# KiCad board panel_joined.kicad_pcb (continued)
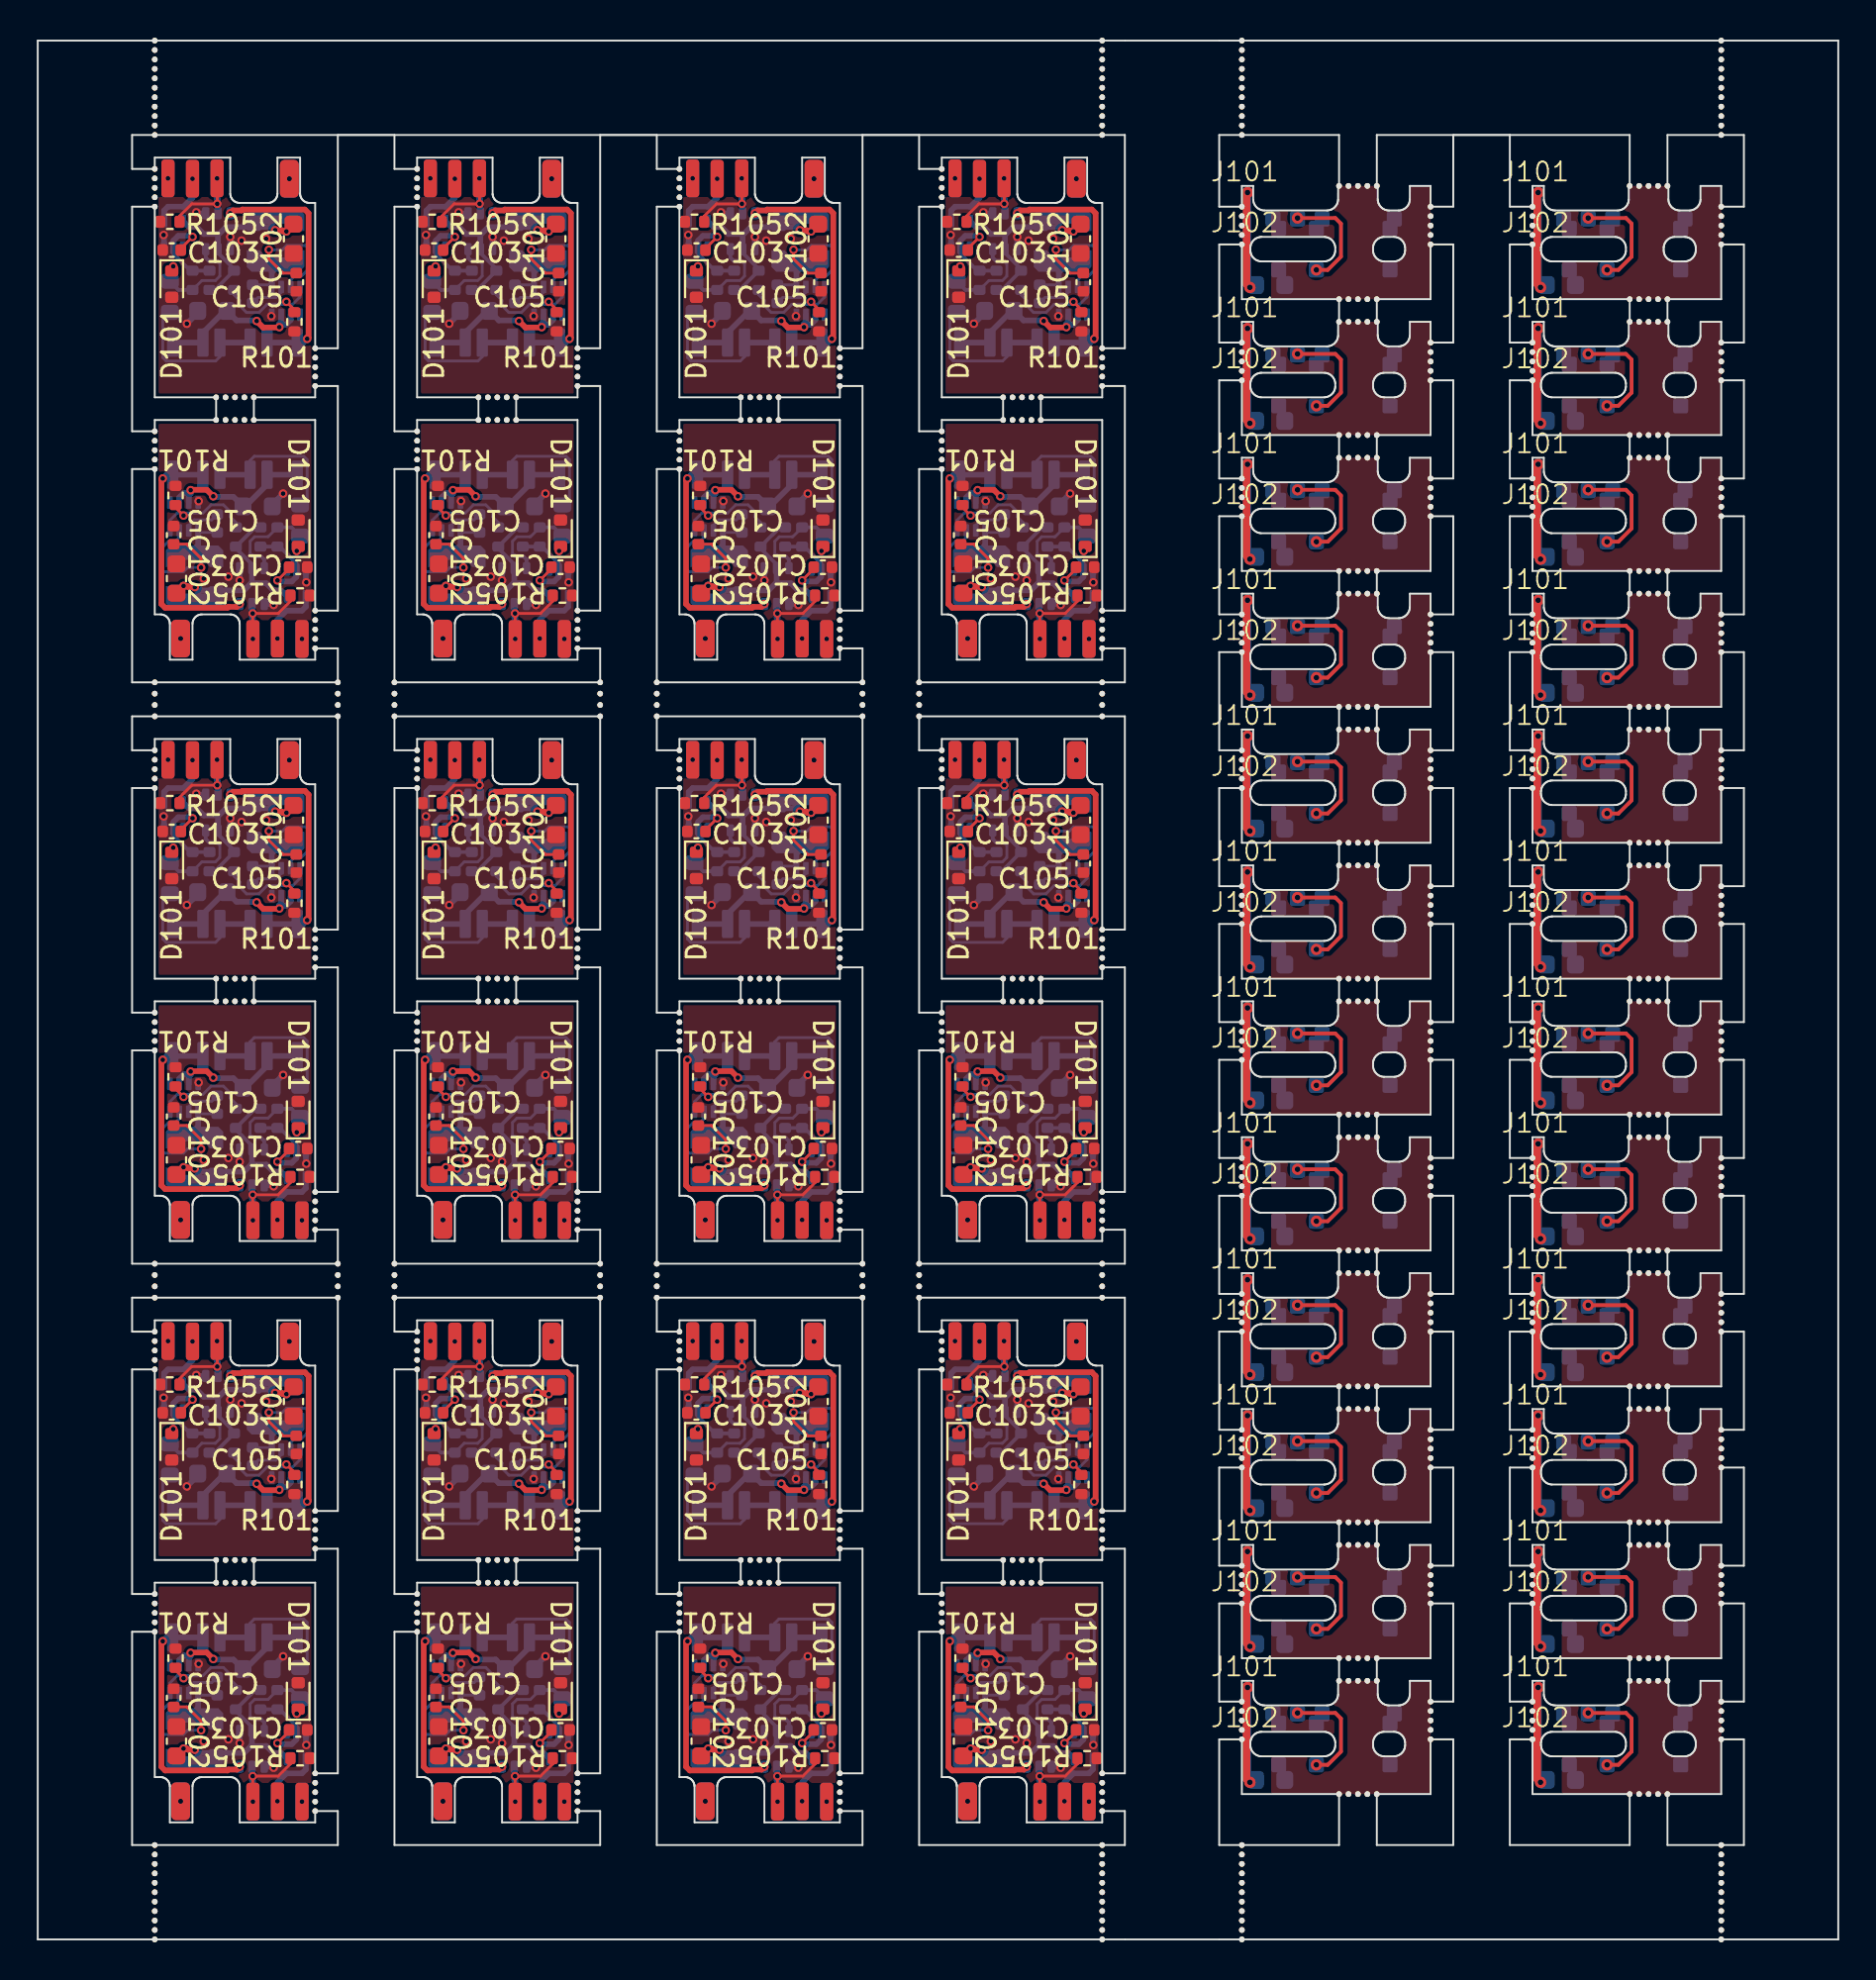
[diagram p0: board, top side]
## Nets (continued)
Board_1-Board_20-/IO5: J101#4.2 J102#20.3
Board_1-Board_20-/IO10: J102#20.5
Board_1-Board_20-unconnected-(AE101-A-Pad1): AE101#23.1
Board_1-Board_20-unconnected-(AE101-Shield-Pad2): AE101#23.2
Board_1-Board_21-/ANT: J102#19.1
Board_1-Board_21-/IO4: J101#11.3 J102#19.4
Board_1-Board_21-/IO5: J101#11.2 J102#19.3
Board_1-Board_21-/IO10: J102#19.5
Board_1-Board_21-unconnected-(AE101-A-Pad1): AE101#18.1
Board_1-Board_21-unconnected-(AE101-Shield-Pad2): AE101#18.2
Board_1-Board_22-/ANT: J102#11.1
Board_1-Board_22-/IO4: J101#14.3 J102#11.4
Board_1-Board_22-/IO5: J101#14.2 J102#11.3
Board_1-Board_22-/IO10: J102#11.5
Board_1-Board_22-unconnected-(AE101-A-Pad1): AE101#24.1
Board_1-Board_22-unconnected-(AE101-Shield-Pad2): AE101#24.2
Board_1-Board_23-/ANT: J102#3.1
Board_1-Board_23-/IO4: J101.3 J102#3.4
Board_1-Board_23-/IO5: J101.2 J102#3.3
Board_1-Board_23-/IO10: J102#3.5
Board_1-Board_23-unconnected-(AE101-A-Pad1): AE101#22.1
Board_1-Board_23-unconnected-(AE101-Shield-Pad2): AE101#22.2

## Via types
v1: diameter 0.45, hole 0.25, Top to Bottom, 552 vias
v2: diameter 0.6, hole 0.3, Top to Bottom, 96 vias

## Routing (per net, layer and track width the routed paths; a pad name or vN(x,y) marks a point on that pad's centre or on a via; arc(x,y) is an arc through that point)
Board_0-Board_0-+3V3: length 10.3
  Top w0.3: v1(12.58,90.55) 12.93,90.55 12.99,90.49 v1(13.17,90.49)
  Bottom w0.2: R106#22.1 9.38,87.39 R104#15.1 10.4,88.5 9.55,89.35 Q102#6.2
  Bottom w0.3: Q102#6.2 9.55,90.3 ; 9.55,90.3 9.5,90.35 8.79,90.35 8.42,90.73 8.01,90.73 U102#24.5 ; 9.55,90.3 9.97,90.72 12.25,90.72 12.6,91.07 L101#7.2
  vias: v1(13.33,93.28) v1(13.33,93.28)
Board_0-Board_0-/BST: length 2
  Bottom w0.15: C104#22.1 11.68,86.99 12.62,86.99 12.9,87.27 U103.6
Board_0-Board_0-/DBUS: length 8.1
  Bottom w0.15: H102#23.1 9.65,83.85 9.42,83.62 6.81,83.62 6.62,83.81 6.62,85.82 R103#11.1
  Bottom w0.3: H102#23.1 H102#23.1
Board_0-Board_0-/DBUS_R: length 6.3
  Top w0.15: 7.1,88.56 v1(7.18,88.64)
  Bottom w0.15: R102#18.1 8.7,87.89 9.41,87.89 9.65,88.12 9.65,88.79 9.54,88.9 9.45,88.9 ; v1(7.18,88.64) 7.02,88.64 7,88.62 R103#11.2 7.04,87.89
  Bottom w0.2: R103#11.2 7.46,87.39 R102#18.1 ; 9.52,88.88 9.47,88.93 9.07,88.93 8.9,89.1 Q102#6.3
Board_0-Board_0-/FB: length 5.9
  Top w0.15: R101#10.1 13.6,86.34 v1(13.17,86.76)
  Bottom w0.15: U103.8 13.9,87.02 13.51,86.63 12.15,86.63 11.72,86.19 11.06,86.19 10.7,86.56 10.7,86.83 10.4,87.13 R104#15.2
Board_0-Board_0-/IN: length 5.1
  Top w0.15: C103#4.1 7.58,89.58 v1(8.2,90.2)
  Bottom w0.2: R106#22.2 R102#18.2 8.08,88.41 7.19,89.3 U102#24.2
  Bottom w0.3: U102#24.2 7.19,90.01 7.44,90.26 8.14,90.26 v1(8.2,90.2)
Board_0-Board_0-/IO4: length 5.9
  Top w0.15: v1(9.51,91.95) 8.16,91.95 7.51,91.3 R105#12.1 ; v1(9.51,91.95) 9.51,93.29 v1(9.5,93.3) ; v1(9.51,91.95) 9.51,91.85
  Bottom w0.3: Q102#6.5 9.55,92.15 9.5,92.2 v1(9.5,93.3)
Board_0-Board_0-/IO5: length 3.3
  Bottom w0.3: U102#24.4 6.69,91.59 6.9,91.8 7.72,91.8 8.2,92.28 v1(8.2,93.28)
Board_0-Board_0-/SW: length 2.3
  Bottom w0.15: U103.5 12.29,87.66 C104#22.2
  Bottom w0.3: L101#7.1 12.6,88.53 12.4,88.33 U103.5
Board_0-Board_0-/V+: length 8.7
  Top w0.3: v1(12.8,85.42) 12.78,85.4 11.94,85.4 v1(11.6,85.74)
  Bottom w0.3: v1(11.6,85.74) 11.57,85.77 10.53,85.77 C101#19.1 9.9,86.28 8.75,85.13 H101#19.1 H101#19.1 ; U103.3 12.9,85.7 12.8,85.6 v1(12.8,85.42) 12.94,85.56 13.16,85.56 13.4,85.8 U103.2
Board_0-Board_0-/V-: length 13.2
  Top w0.3: v1(10.2,91.45) 10.35,91.6 10.8,91.6 10.85,91.65 14.15,91.65 14.35,91.45 14.35,84.87 v1(14.27,84.8)
  Bottom w0.3: v1(14.27,84.8) 14.08,84.6 H103#12.1 H103#12.1
Board_0-Board_0-GND: length 2.9
  Bottom w0.2: v1(12.38,86) 12.4,86.02 U103.4
  Bottom w0.3: v1(6.67,90.3) 6.69,90.28 U102#24.3 ; v1(8.4,91.5) 8.45,91.45 Q102#6.4 ; Q102#6.1 v1(10.2,90.2) ; C101#19.2 8.48,86.17 v1(7.9,85.6)
  vias: v1(6.9,93.3) v1(10.8,90) v1(12.1,90.1)
Board_0-Board_0-Net-(U103-SS): length 7.2
  Top w0.15: v1(12.25,89.52) 12.25,89.03 13,88.28 C105#14.1
  Bottom w0.15: U103.7 13.4,87.92 13.6,88.12 13.97,88.12 14.36,88.51 14.36,89.59 14.2,89.74 13.18,89.74 12.96,89.52 v1(12.25,89.52)
Board_0-Board_1-+3V3: length 10.3
  Top w0.3: v1(27.08,90.49) 26.89,90.49 26.83,90.55 v1(26.48,90.55)
  Bottom w0.2: Q102#15.2 23.45,89.35 24.3,88.5 R104#8.1 23.28,87.39 R106#6.1
  Bottom w0.3: 23.45,90.3 23.87,90.72 26.15,90.72 26.5,91.07 L101#11.2 ; 23.45,90.3 Q102#15.2 ; 23.45,90.3 23.4,90.35 22.69,90.35 22.32,90.73 21.91,90.73 U102#7.5
  vias: v1(27.23,93.28) v1(27.23,93.28)
Board_0-Board_1-/BST: length 2
  Bottom w0.15: C104#20.1 25.58,86.99 26.52,86.99 26.8,87.27 U103#2.6
Board_0-Board_1-/DBUS: length 8.1
  Bottom w0.15: R103#24.1 20.52,85.82 20.52,83.81 20.71,83.62 23.32,83.62 23.55,83.85 H102#24.1
  Bottom w0.3: H102#24.1 H102#24.1
Board_0-Board_1-/DBUS_R: length 6.3
  Top w0.15: 21,88.56 v1(21.08,88.64)
  Bottom w0.15: v1(21.08,88.64) 20.92,88.64 20.9,88.62 R103#24.2 20.94,87.89 ; R102#12.1 22.6,87.89 23.31,87.89 23.55,88.12 23.55,88.79 23.44,88.9 23.35,88.9
  Bottom w0.2: R103#24.2 21.36,87.39 R102#12.1 ; 23.42,88.88 23.37,88.93 22.97,88.93 22.8,89.1 Q102#15.3
Board_0-Board_1-/FB: length 5.9
  Top w0.15: v1(27.07,86.76) 27.5,86.34 R101#4.1
  Bottom w0.15: U103#2.8 27.8,87.02 27.41,86.63 26.05,86.63 25.62,86.19 24.96,86.19 24.6,86.56 24.6,86.83 24.3,87.13 R104#8.2
Board_0-Board_1-/IN: length 5.1
  Top w0.15: v1(22.1,90.2) 21.48,89.58 C103#19.1
  Bottom w0.2: R106#6.2 R102#12.2 21.98,88.41 21.09,89.3 U102#7.2
  Bottom w0.3: U102#7.2 21.09,90.01 21.34,90.26 22.04,90.26 v1(22.1,90.2)
Board_0-Board_1-/IO4: length 5.9
  Top w0.15: v1(23.4,93.3) 23.41,93.29 v1(23.41,91.95) ; v1(23.41,91.95) 22.06,91.95 21.41,91.3 R105#13.1 ; v1(23.41,91.95) 23.41,91.85
  Bottom w0.3: Q102#15.5 23.45,92.15 23.4,92.2 v1(23.4,93.3)
Board_0-Board_1-/IO5: length 3.3
  Bottom w0.3: v1(22.1,93.28) 22.1,92.28 21.62,91.8 20.8,91.8 20.59,91.59 U102#7.4
Board_0-Board_1-/SW: length 2.3
  Bottom w0.15: C104#20.2 26.19,87.66 U103#2.5
  Bottom w0.3: U103#2.5 26.3,88.33 26.5,88.53 L101#11.1
Board_0-Board_1-/V+: length 8.7
  Top w0.3: v1(25.5,85.74) 25.84,85.4 26.68,85.4 v1(26.7,85.42)
  Bottom w0.3: H101#18.1 H101#18.1 22.65,85.13 23.8,86.28 C101#15.1 24.43,85.77 25.47,85.77 v1(25.5,85.74) ; U103#2.2 27.3,85.8 27.06,85.56 26.84,85.56 v1(26.7,85.42) 26.7,85.6 26.8,85.7 U103#2.3
Board_0-Board_1-/V-: length 13.2
  Top w0.3: v1(24.1,91.45) 24.25,91.6 24.7,91.6 24.75,91.65 28.05,91.65 28.25,91.45 28.25,84.87 v1(28.17,84.8)
  Bottom w0.3: v1(28.17,84.8) 27.98,84.6 H103#3.1 H103#3.1
Board_0-Board_1-GND: length 2.9
  Bottom w0.2: v1(26.27,86) 26.3,86.02 U103#2.4
  Bottom w0.3: v1(20.57,90.3) 20.59,90.28 U102#7.3 ; v1(21.8,85.6) 22.38,86.17 C101#15.2 ; Q102#15.4 22.35,91.45 v1(22.3,91.5) ; Q102#15.1 v1(24.1,90.2)
  vias: v1(20.8,93.3) v1(24.7,90) v1(26,90.1)
Board_0-Board_1-Net-(U103-SS): length 7.2
  Top w0.15: C105#15.1 26.9,88.28 26.15,89.03 v1(26.15,89.52)
  Bottom w0.15: U103#2.7 27.3,87.92 27.5,88.12 27.87,88.12 28.26,88.51 28.26,89.59 28.1,89.74 27.08,89.74 26.86,89.52 v1(26.15,89.52)
Board_0-Board_2-+3V3: length 10.3
  Top w0.3: v1(40.38,90.55) 40.73,90.55 40.79,90.49 v1(40.98,90.49)
  Bottom w0.2: R106.1 37.18,87.39 R104#22.1 38.2,88.5 37.35,89.35 Q102#17.2
  Bottom w0.3: 37.35,90.3 37.77,90.72 40.05,90.72 40.4,91.07 L101#2.2 ; 37.35,90.3 Q102#17.2 ; 37.35,90.3 37.3,90.35 36.59,90.35 36.22,90.73 35.81,90.73 U102#18.5
  vias: v1(41.13,93.28) v1(41.13,93.28)
Board_0-Board_2-/BST: length 2
  Bottom w0.15: C104#7.1 39.48,86.99 40.42,86.99 40.7,87.27 U103#17.6
Board_0-Board_2-/DBUS: length 8.1
  Bottom w0.15: R103#20.1 34.42,85.82 34.42,83.81 34.61,83.62 37.22,83.62 37.45,83.85 H102#10.1
  Bottom w0.3: H102#10.1 H102#10.1
Board_0-Board_2-/DBUS_R: length 6.3
  Top w0.15: 34.9,88.56 v1(34.98,88.64)
  Bottom w0.15: v1(34.98,88.64) 34.82,88.64 34.8,88.62 R103#20.2 34.84,87.89 ; 37.25,88.9 37.34,88.9 37.45,88.79 37.45,88.12 37.21,87.89 36.5,87.89 R102#19.1
  Bottom w0.2: R103#20.2 35.26,87.39 R102#19.1 ; Q102#17.3 36.7,89.1 36.87,88.93 37.27,88.93 37.32,88.88
Board_0-Board_2-/FB: length 5.9
  Top w0.15: R101#13.1 41.4,86.34 v1(40.97,86.76)
  Bottom w0.15: R104#22.2 38.2,87.13 38.5,86.83 38.5,86.56 38.86,86.19 39.52,86.19 39.95,86.63 41.31,86.63 41.7,87.02 U103#17.8
Board_0-Board_2-/IN: length 5.1
  Top w0.15: C103#6.1 35.38,89.58 v1(36,90.2)
  Bottom w0.2: U102#18.2 34.99,89.3 35.88,88.41 R102#19.2 R106.2
  Bottom w0.3: v1(36,90.2) 35.94,90.26 35.24,90.26 34.99,90.01 U102#18.2
Board_0-Board_2-/IO4: length 5.9
  Top w0.15: v1(37.31,91.95) 35.96,91.95 35.31,91.3 R105#20.1 ; v1(37.31,91.95) 37.31,93.29 v1(37.3,93.3) ; v1(37.31,91.95) 37.31,91.85
  Bottom w0.3: Q102#17.5 37.35,92.15 37.3,92.2 v1(37.3,93.3)
Board_0-Board_2-/IO5: length 3.3
  Bottom w0.3: v1(36,93.28) 36,92.28 35.52,91.8 34.7,91.8 34.49,91.59 U102#18.4
Board_0-Board_2-/SW: length 2.3
  Bottom w0.15: C104#7.2 40.09,87.66 U103#17.5
  Bottom w0.3: U103#17.5 40.2,88.33 40.4,88.53 L101#2.1
Board_0-Board_2-/V+: length 8.7
  Top w0.3: v1(39.4,85.74) 39.74,85.4 40.58,85.4 v1(40.6,85.42)
  Bottom w0.3: H101#9.1 H101#9.1 36.55,85.13 37.7,86.28 C101#10.1 38.33,85.77 39.37,85.77 v1(39.4,85.74) ; U103#17.2 41.2,85.8 40.96,85.56 40.74,85.56 v1(40.6,85.42) 40.6,85.6 40.7,85.7 U103#17.3
Board_0-Board_2-/V-: length 13.2
  Top w0.3: v1(38,91.45) 38.15,91.6 38.6,91.6 38.65,91.65 41.95,91.65 42.15,91.45 42.15,84.87 v1(42.08,84.8)
  Bottom w0.3: H103#13.1 H103#13.1 41.88,84.6 v1(42.08,84.8)
Board_0-Board_2-GND: length 2.9
  Bottom w0.2: U103#17.4 40.2,86.02 v1(40.17,86)
  Bottom w0.3: v1(36.2,91.5) 36.25,91.45 Q102#17.4 ; C101#10.2 36.27,86.17 v1(35.7,85.6) ; v1(34.47,90.3) 34.49,90.28 U102#18.3 ; Q102#17.1 v1(38,90.2)
  vias: v1(34.7,93.3) v1(38.6,90) v1(39.9,90.1)
Board_0-Board_2-Net-(U103-SS): length 7.2
  Top w0.15: v1(40.05,89.52) 40.05,89.03 40.8,88.28 C105#21.1
  Bottom w0.15: v1(40.05,89.52) 40.76,89.52 40.98,89.74 42,89.74 42.16,89.59 42.16,88.51 41.77,88.12 41.4,88.12 41.2,87.92 U103#17.7
Board_0-Board_3-+3V3: length 10.3
  Top w0.3: v1(54.28,90.55) 54.63,90.55 54.69,90.49 v1(54.88,90.49)
  Bottom w0.2: Q102#13.2 51.25,89.35 52.1,88.5 R104#19.1 51.08,87.39 R106#18.1
  Bottom w0.3: L101#5.2 54.3,91.07 53.95,90.72 51.67,90.72 51.25,90.3 ; Q102#13.2 51.25,90.3 ; 51.25,90.3 51.2,90.35 50.49,90.35 50.12,90.73 49.71,90.73 U102#6.5
  vias: v1(55.03,93.28) v1(55.03,93.28)
Board_0-Board_3-/BST: length 2
  Bottom w0.15: U103#9.6 54.6,87.27 54.32,86.99 53.38,86.99 C104#5.1
Board_0-Board_3-/DBUS: length 8.1
  Bottom w0.15: H102#20.1 51.35,83.85 51.12,83.62 48.51,83.62 48.32,83.81 48.32,85.82 R103#2.1
  Bottom w0.3: H102#20.1 H102#20.1
Board_0-Board_3-/DBUS_R: length 6.3
  Top w0.15: 48.8,88.56 v1(48.88,88.64)
  Bottom w0.15: R102#6.1 50.4,87.89 51.11,87.89 51.35,88.12 51.35,88.79 51.24,88.9 51.15,88.9 ; v1(48.88,88.64) 48.72,88.64 48.7,88.62 R103#2.2 48.74,87.89
  Bottom w0.2: R102#6.1 49.16,87.39 R103#2.2 ; 51.22,88.88 51.17,88.93 50.77,88.93 50.6,89.1 Q102#13.3
Board_0-Board_3-/FB: length 5.9
  Top w0.15: v1(54.87,86.76) 55.3,86.34 R101#6.1
  Bottom w0.15: R104#19.2 52.1,87.13 52.4,86.83 52.4,86.56 52.76,86.19 53.42,86.19 53.85,86.63 55.21,86.63 55.6,87.02 U103#9.8
Board_0-Board_3-/IN: length 5.1
  Top w0.15: C103#9.1 49.28,89.58 v1(49.9,90.2)
  Bottom w0.2: R106#18.2 R102#6.2 49.78,88.41 48.89,89.3 U102#6.2
  Bottom w0.3: U102#6.2 48.89,90.01 49.14,90.26 49.84,90.26 v1(49.9,90.2)
Board_0-Board_3-/IO4: length 5.9
  Top w0.15: R105#8.1 49.21,91.3 49.86,91.95 v1(51.21,91.95) ; v1(51.21,91.95) 51.21,93.29 v1(51.2,93.3) ; v1(51.21,91.95) 51.21,91.85
  Bottom w0.3: Q102#13.5 51.25,92.15 51.2,92.2 v1(51.2,93.3)
Board_0-Board_3-/IO5: length 3.3
  Bottom w0.3: U102#6.4 48.39,91.59 48.6,91.8 49.42,91.8 49.9,92.28 v1(49.9,93.28)
Board_0-Board_3-/SW: length 2.3
  Bottom w0.15: U103#9.5 53.99,87.66 C104#5.2
  Bottom w0.3: L101#5.1 54.3,88.53 54.1,88.33 U103#9.5
Board_0-Board_3-/V+: length 8.7
  Top w0.3: v1(53.3,85.74) 53.64,85.4 54.48,85.4 v1(54.5,85.42)
  Bottom w0.3: v1(53.3,85.74) 53.27,85.77 52.23,85.77 51.72,86.28 51.6,86.28 50.45,85.13 H101#15.1 H101#15.1 ; U103#9.3 54.6,85.7 54.5,85.6 v1(54.5,85.42) 54.64,85.56 54.86,85.56 55.1,85.8 U103#9.2
Board_0-Board_3-/V-: length 13.2
  Top w0.3: v1(55.97,84.8) 56.05,84.87 56.05,91.45 55.85,91.65 52.55,91.65 52.5,91.6 52.05,91.6 v1(51.9,91.45)
  Bottom w0.3: H103#6.1 H103#6.1 55.78,84.6 v1(55.97,84.8)
Board_0-Board_3-GND: length 2.9
  Bottom w0.2: U103#9.4 54.1,86.02 v1(54.08,86)
  Bottom w0.3: Q102#13.4 50.15,91.45 v1(50.1,91.5) ; U102#6.3 48.39,90.28 v1(48.37,90.3) ; C101#3.2 50.17,86.17 v1(49.6,85.6) ; Q102#13.1 v1(51.9,90.2)
  vias: v1(48.6,93.3) v1(52.5,90) v1(53.8,90.1)
Board_0-Board_3-Net-(U103-SS): length 7.2
  Top w0.15: v1(53.95,89.52) 53.95,89.03 54.7,88.28 C105#10.1
  Bottom w0.15: v1(53.95,89.52) 54.66,89.52 54.88,89.74 55.9,89.74 56.06,89.59 56.06,88.51 55.67,88.12 55.3,88.12 55.1,87.92 U103#9.7
Board_0-Board_4-+3V3: length 10.3
  Top w0.3: v1(7.73,71.71) 7.91,71.71 7.97,71.65 v1(8.32,71.65)
  Bottom w0.2: R106#13.1 11.52,74.81 R104#20.1 10.5,73.7 11.35,72.85 Q102#24.2
  Bottom w0.3: 11.35,71.9 11.4,71.85 12.11,71.85 12.48,71.47 12.89,71.47 U102#20.5 ; 11.35,71.9 10.93,71.48 8.65,71.48 8.3,71.13 L101#3.2 ; 11.35,71.9 Q102#24.2
  vias: v1(7.57,68.92) v1(7.57,68.92)
Board_0-Board_4-/BST: length 2
  Bottom w0.15: C104#15.1 9.22,75.21 8.28,75.21 8,74.93 U103#7.6
Board_0-Board_4-/DBUS: length 8.1
  Bottom w0.15: H102#9.1 11.25,78.35 11.48,78.58 14.09,78.58 14.28,78.39 14.28,76.38 R103#4.1
  Bottom w0.3: H102#9.1 H102#9.1
Board_0-Board_4-/DBUS_R: length 6.3
  Top w0.15: 13.8,73.64 v1(13.72,73.56)
  Bottom w0.15: v1(13.72,73.56) 13.88,73.56 13.9,73.58 R103#4.2 13.86,74.31 ; 11.45,73.3 11.36,73.3 11.25,73.41 11.25,74.08 11.49,74.31 12.2,74.31 R102#13.1
  Bottom w0.2: Q102#24.3 12,73.1 11.83,73.27 11.43,73.27 11.38,73.32 ; R102#13.1 13.44,74.81 R103#4.2
Board_0-Board_4-/FB: length 5.9
  Top w0.15: v1(7.73,75.44) 7.3,75.86 R101#11.1
  Bottom w0.15: R104#20.2 10.5,75.07 10.2,75.37 10.2,75.64 9.84,76.01 9.18,76.01 8.75,75.57 7.39,75.57 7,75.18 U103#7.8
Board_0-Board_4-/IN: length 5.1
  Top w0.15: C103#14.1 13.32,72.62 v1(12.7,72)
  Bottom w0.2: R106#13.2 R102#13.2 12.82,73.79 13.71,72.9 U102#20.2
  Bottom w0.3: U102#20.2 13.71,72.19 13.46,71.94 12.76,71.94 v1(12.7,72)
Board_0-Board_4-/IO4: length 5.9
  Top w0.15: v1(11.39,70.25) 11.39,68.91 v1(11.4,68.9) ; v1(11.39,70.25) 11.39,70.35 ; v1(11.39,70.25) 12.74,70.25 13.39,70.9 R105#24.1
  Bottom w0.3: v1(11.4,68.9) 11.4,70 11.35,70.05 Q102#24.5
Board_0-Board_4-/IO5: length 3.3
  Bottom w0.3: U102#20.4 14.21,70.61 14,70.4 13.18,70.4 12.7,69.92 v1(12.7,68.92)
Board_0-Board_4-/SW: length 2.3
  Bottom w0.15: C104#15.2 8.61,74.54 U103#7.5
  Bottom w0.3: L101#3.1 8.3,73.67 8.5,73.87 U103#7.5
Board_0-Board_4-/V+: length 8.7
  Top w0.3: v1(8.1,76.78) 8.12,76.8 8.96,76.8 v1(9.3,76.46)
  Bottom w0.3: U103#7.3 8,76.5 8.1,76.6 v1(8.1,76.78) 7.96,76.64 7.74,76.64 7.5,76.4 U103#7.2 ; v1(9.3,76.46) 9.33,76.43 10.37,76.43 C101#7.1 11,75.92 12.15,77.07 H101#3.1 H101#3.1
Board_0-Board_4-/V-: length 13.2
  Top w0.3: v1(6.62,77.4) 6.55,77.33 6.55,70.75 6.75,70.55 10.05,70.55 10.1,70.6 10.55,70.6 v1(10.7,70.75)
  Bottom w0.3: v1(6.62,77.4) 6.82,77.6 H103#4.1 H103#4.1
Board_0-Board_4-GND: length 2.9
  Bottom w0.2: v1(8.52,76.2) 8.5,76.17 U103#7.4
  Bottom w0.3: Q102#24.4 12.45,70.75 v1(12.5,70.7) ; v1(14.23,71.9) 14.21,71.92 U102#20.3 ; C101#7.2 12.42,76.02 v1(13,76.6) ; Q102#24.1 v1(10.7,72)
  vias: v1(8.8,72.1) v1(10.1,72.2) v1(14,68.9)
Board_0-Board_4-Net-(U103-SS): length 7.2
  Top w0.15: v1(8.65,72.68) 8.65,73.17 7.9,73.92 C105#17.1
  Bottom w0.15: U103#7.7 7.5,74.28 7.3,74.08 6.93,74.08 6.54,73.69 6.54,72.61 6.7,72.46 7.72,72.46 7.94,72.68 v1(8.65,72.68)
Board_0-Board_5-+3V3: length 10.3
  Top w0.3: v1(22.22,71.65) 21.87,71.65 21.81,71.71 v1(21.62,71.71)
  Bottom w0.2: Q102#14.2 25.25,72.85 24.4,73.7 R104#14.1 25.42,74.81 R106#19.1
  Bottom w0.3: U102.5 26.79,71.47 26.38,71.47 26.01,71.85 25.3,71.85 25.25,71.9 ; Q102#14.2 25.25,71.9 ; 25.25,71.9 24.83,71.48 22.55,71.48 22.2,71.13 L101#13.2
  vias: v1(21.47,68.92) v1(21.47,68.92)
Board_0-Board_5-/BST: length 2
  Bottom w0.15: U103#10.6 21.9,74.93 22.18,75.21 23.12,75.21 C104#17.1
Board_0-Board_5-/DBUS: length 8.1
  Bottom w0.15: R103#9.1 28.18,76.38 28.18,78.39 27.99,78.58 25.38,78.58 25.15,78.35 H102#2.1
  Bottom w0.3: H102#2.1 H102#2.1
Board_0-Board_5-/DBUS_R: length 6.3
  Top w0.15: 27.7,73.64 v1(27.62,73.56)
  Bottom w0.15: R102#24.1 26.1,74.31 25.39,74.31 25.15,74.08 25.15,73.41 25.26,73.3 25.35,73.3 ; v1(27.62,73.56) 27.78,73.56 27.8,73.58 R103#9.2 27.76,74.31
  Bottom w0.2: Q102#14.3 25.9,73.1 25.73,73.27 25.33,73.27 25.28,73.32 ; R103#9.2 27.34,74.81 R102#24.1
Board_0-Board_5-/FB: length 5.9
  Top w0.15: v1(21.63,75.44) 21.2,75.86 R101#17.1
  Bottom w0.15: R104#14.2 24.4,75.07 24.1,75.37 24.1,75.64 23.74,76.01 23.08,76.01 22.65,75.57 21.29,75.57 20.9,75.18 U103#10.8
Board_0-Board_5-/IN: length 5.1
  Top w0.15: C103#21.1 27.22,72.62 v1(26.6,72)
  Bottom w0.2: U102.2 27.61,72.9 26.72,73.79 R102#24.2 R106#19.2
  Bottom w0.3: U102.2 27.61,72.19 27.36,71.94 26.66,71.94 v1(26.6,72)
Board_0-Board_5-/IO4: length 5.9
  Top w0.15: v1(25.3,68.9) 25.29,68.91 v1(25.29,70.25) ; R105#7.1 27.29,70.9 26.64,70.25 v1(25.29,70.25) ; v1(25.29,70.25) 25.29,70.35
  Bottom w0.3: v1(25.3,68.9) 25.3,70 25.25,70.05 Q102#14.5
Board_0-Board_5-/IO5: length 3.3
  Bottom w0.3: v1(26.6,68.92) 26.6,69.92 27.08,70.4 27.9,70.4 28.11,70.61 U102.4
Board_0-Board_5-/SW: length 2.3
  Bottom w0.15: C104#17.2 22.51,74.54 U103#10.5
  Bottom w0.3: U103#10.5 22.4,73.87 22.2,73.67 L101#13.1
Board_0-Board_5-/V+: length 8.7
  Top w0.3: v1(22,76.78) 22.02,76.8 22.86,76.8 v1(23.2,76.46)
  Bottom w0.3: v1(23.2,76.46) 23.23,76.43 24.27,76.43 C101#20.1 24.9,75.92 26.05,77.07 H101#24.1 H101#24.1 ; U103#10.3 21.9,76.5 22,76.6 v1(22,76.78) 21.86,76.64 21.64,76.64 21.4,76.4 U103#10.2
Board_0-Board_5-/V-: length 13.2
  Top w0.3: v1(20.52,77.4) 20.45,77.33 20.45,70.75 20.65,70.55 23.95,70.55 24,70.6 24.45,70.6 v1(24.6,70.75)
  Bottom w0.3: H103#20.1 H103#20.1 20.73,77.6 v1(20.52,77.4)
Board_0-Board_5-GND: length 2.9
  Bottom w0.2: v1(22.42,76.2) 22.4,76.17 U103#10.4
  Bottom w0.3: v1(26.9,76.6) 26.33,76.02 C101#20.2 ; v1(28.13,71.9) 28.11,71.92 U102.3 ; Q102#14.4 26.35,70.75 v1(26.4,70.7) ; Q102#14.1 v1(24.6,72)
  vias: v1(22.7,72.1) v1(24,72.2) v1(27.9,68.9)
Board_0-Board_5-Net-(U103-SS): length 7.2
  Top w0.15: C105#24.1 21.8,73.92 22.55,73.17 v1(22.55,72.68)
  Bottom w0.15: v1(22.55,72.68) 21.84,72.68 21.62,72.46 20.6,72.46 20.44,72.61 20.44,73.69 20.83,74.08 21.2,74.08 21.4,74.28 U103#10.7
Board_0-Board_6-+3V3: length 10.3
  Top w0.3: v1(36.12,71.65) 35.77,71.65 35.71,71.71 v1(35.52,71.71)
  Bottom w0.2: Q102#20.2 39.15,72.85 38.3,73.7 R104#5.1 39.32,74.81 R106#14.1
  Bottom w0.3: Q102#20.2 39.15,71.9 ; 39.15,71.9 38.73,71.48 36.45,71.48 36.1,71.13 L101#19.2 ; 39.15,71.9 39.2,71.85 39.91,71.85 40.28,71.47 40.69,71.47 U102#2.5
  vias: v1(35.37,68.92) v1(35.37,68.92)
Board_0-Board_6-/BST: length 2
  Bottom w0.15: C104#10.1 37.02,75.21 36.08,75.21 35.8,74.93 U103#15.6
Board_0-Board_6-/DBUS: length 8.1
  Bottom w0.15: R103#15.1 42.08,76.38 42.08,78.39 41.89,78.58 39.28,78.58 39.05,78.35 H102#5.1
  Bottom w0.3: H102#5.1 H102#5.1
Board_0-Board_6-/DBUS_R: length 6.3
  Top w0.15: 41.6,73.64 v1(41.52,73.56)
  Bottom w0.15: 41.66,74.31 R103#15.2 41.7,73.58 41.68,73.56 v1(41.52,73.56) ; 39.25,73.3 39.16,73.3 39.05,73.41 39.05,74.08 39.29,74.31 40,74.31 R102#4.1
  Bottom w0.2: Q102#20.3 39.8,73.1 39.63,73.27 39.23,73.27 39.18,73.32 ; R102#4.1 41.24,74.81 R103#15.2
Board_0-Board_6-/FB: length 5.9
  Top w0.15: v1(35.53,75.44) 35.1,75.86 R101#18.1
  Bottom w0.15: R104#5.2 38.3,75.07 38,75.37 38,75.64 37.64,76.01 36.98,76.01 36.55,75.57 35.19,75.57 34.8,75.18 U103#15.8
Board_0-Board_6-/IN: length 5.1
  Top w0.15: v1(40.5,72) 41.12,72.62 C103#22.1
  Bottom w0.2: U102#2.2 41.51,72.9 40.62,73.79 R102#4.2 R106#14.2
  Bottom w0.3: U102#2.2 41.51,72.19 41.26,71.94 40.56,71.94 v1(40.5,72)
Board_0-Board_6-/IO4: length 5.9
  Top w0.15: v1(39.19,70.25) 39.19,68.91 v1(39.2,68.9) ; v1(39.19,70.25) 39.19,70.35 ; v1(39.19,70.25) 40.54,70.25 41.19,70.9 R105#14.1
  Bottom w0.3: Q102#20.5 39.15,70.05 39.2,70 v1(39.2,68.9)
Board_0-Board_6-/IO5: length 3.3
  Bottom w0.3: v1(40.5,68.92) 40.5,69.92 40.98,70.4 41.8,70.4 42.01,70.61 U102#2.4
Board_0-Board_6-/SW: length 2.3
  Bottom w0.15: C104#10.2 36.41,74.54 U103#15.5
  Bottom w0.3: L101#19.1 36.1,73.67 36.3,73.87 U103#15.5
Board_0-Board_6-/V+: length 8.7
  Top w0.3: v1(37.1,76.46) 36.76,76.8 35.92,76.8 v1(35.9,76.78)
  Bottom w0.3: H101#2.1 H101#2.1 39.95,77.07 38.8,75.92 C101#17.1 38.17,76.43 37.13,76.43 v1(37.1,76.46) ; U103#15.2 35.3,76.4 35.54,76.64 35.76,76.64 v1(35.9,76.78) 35.9,76.6 35.8,76.5 U103#15.3
Board_0-Board_6-/V-: length 13.2
  Top w0.3: v1(34.42,77.4) 34.35,77.33 34.35,70.75 34.55,70.55 37.85,70.55 37.9,70.6 38.35,70.6 v1(38.5,70.75)
  Bottom w0.3: v1(34.42,77.4) 34.62,77.6 H103#23.1 H103#23.1
Board_0-Board_6-GND: length 2.9
  Bottom w0.2: U103#15.4 36.3,76.17 v1(36.33,76.2)
  Bottom w0.3: U102#2.3 42.01,71.92 v1(42.03,71.9) ; Q102#20.4 40.25,70.75 v1(40.3,70.7) ; C101#17.2 40.23,76.02 v1(40.8,76.6) ; Q102#20.1 v1(38.5,72)
  vias: v1(36.6,72.1) v1(37.9,72.2) v1(41.8,68.9)
Board_0-Board_6-Net-(U103-SS): length 7.2
  Top w0.15: v1(36.45,72.68) 36.45,73.17 35.7,73.92 C105#2.1
  Bottom w0.15: U103#15.7 35.3,74.28 35.1,74.08 34.73,74.08 34.34,73.69 34.34,72.61 34.5,72.46 35.52,72.46 35.74,72.68 v1(36.45,72.68)
Board_0-Board_7-+3V3: length 10.3
  Top w0.3: v1(49.42,71.71) 49.61,71.71 49.67,71.65 v1(50.02,71.65)
  Bottom w0.2: R106#20.1 53.22,74.81 R104#4.1 52.2,73.7 53.05,72.85 Q102#10.2
  Bottom w0.3: U102#3.5 54.59,71.47 54.18,71.47 53.81,71.85 53.1,71.85 53.05,71.9 ; Q102#10.2 53.05,71.9 ; 53.05,71.9 52.63,71.48 50.35,71.48 50,71.13 L101#12.2
  vias: v1(49.27,68.92) v1(49.27,68.92)
Board_0-Board_7-/BST: length 2
  Bottom w0.15: C104#18.1 50.92,75.21 49.98,75.21 49.7,74.93 U103#5.6
Board_0-Board_7-/DBUS: length 8.1
  Bottom w0.15: H102#16.1 52.95,78.35 53.18,78.58 55.79,78.58 55.98,78.39 55.98,76.38 R103#5.1
  Bottom w0.3: H102#16.1 H102#16.1
Board_0-Board_7-/DBUS_R: length 6.3
  Top w0.15: 55.5,73.64 v1(55.42,73.56)
  Bottom w0.15: v1(55.42,73.56) 55.58,73.56 55.6,73.58 R103#5.2 55.56,74.31 ; R102.1 53.9,74.31 53.19,74.31 52.95,74.08 52.95,73.41 53.06,73.3 53.15,73.3
  Bottom w0.2: R102.1 55.14,74.81 R103#5.2 ; 53.08,73.32 53.13,73.27 53.53,73.27 53.7,73.1 Q102#10.3
Board_0-Board_7-/FB: length 5.9
  Top w0.15: R101#8.1 49,75.86 v1(49.43,75.44)
  Bottom w0.15: R104#4.2 52.2,75.07 51.9,75.37 51.9,75.64 51.54,76.01 50.88,76.01 50.45,75.57 49.09,75.57 48.7,75.18 U103#5.8
Board_0-Board_7-/IN: length 5.1
  Top w0.15: C103#10.1 55.02,72.62 v1(54.4,72)
  Bottom w0.2: R106#20.2 R102.2 54.52,73.79 55.41,72.9 U102#3.2
  Bottom w0.3: U102#3.2 55.41,72.19 55.16,71.94 54.46,71.94 v1(54.4,72)
Board_0-Board_7-/IO4: length 5.9
  Top w0.15: v1(53.09,70.25) 54.44,70.25 55.09,70.9 R105#16.1 ; v1(53.09,70.25) 53.09,68.91 v1(53.1,68.9) ; v1(53.09,70.25) 53.09,70.35
  Bottom w0.3: v1(53.1,68.9) 53.1,70 53.05,70.05 Q102#10.5
Board_0-Board_7-/IO5: length 3.3
  Bottom w0.3: v1(54.4,68.92) 54.4,69.92 54.88,70.4 55.7,70.4 55.91,70.61 U102#3.4
Board_0-Board_7-/SW: length 2.3
  Bottom w0.15: U103#5.5 50.31,74.54 C104#18.2
  Bottom w0.3: U103#5.5 50.2,73.87 50,73.67 L101#12.1
Board_0-Board_7-/V+: length 8.7
  Top w0.3: v1(49.8,76.78) 49.82,76.8 50.66,76.8 v1(51,76.46)
  Bottom w0.3: U103#5.3 49.7,76.5 49.8,76.6 v1(49.8,76.78) 49.66,76.64 49.44,76.64 49.2,76.4 U103#5.2 ; v1(51,76.46) 51.03,76.43 52.07,76.43 52.58,75.92 52.7,75.92 53.85,77.07 H101#6.1 H101#6.1
Board_0-Board_7-/V-: length 13.2
  Top w0.3: v1(52.4,70.75) 52.25,70.6 51.8,70.6 51.75,70.55 48.45,70.55 48.25,70.75 48.25,77.33 v1(48.33,77.4)
  Bottom w0.3: v1(48.33,77.4) 48.53,77.6 H103#5.1 H103#5.1
Board_0-Board_7-GND: length 2.9
  Bottom w0.2: U103#5.4 50.2,76.17 v1(50.22,76.2)
  Bottom w0.3: v1(54.7,76.6) 54.12,76.02 C101#4.2 ; U102#3.3 55.91,71.92 v1(55.93,71.9) ; v1(54.2,70.7) 54.15,70.75 Q102#10.4 ; Q102#10.1 v1(52.4,72)
  vias: v1(50.5,72.1) v1(51.8,72.2) v1(55.7,68.9)
Board_0-Board_7-Net-(U103-SS): length 7.2
  Top w0.15: v1(50.35,72.68) 50.35,73.17 49.6,73.92 C105#22.1
  Bottom w0.15: v1(50.35,72.68) 49.64,72.68 49.42,72.46 48.4,72.46 48.24,72.61 48.24,73.69 48.63,74.08 49,74.08 49.2,74.28 U103#5.7
Board_0-Board_8-+3V3: length 10.3
  Top w0.3: v1(12.58,59.75) 12.93,59.75 12.99,59.69 v1(13.17,59.69)
  Bottom w0.2: R106#21.1 9.38,56.59 R104#21.1 10.4,57.7 9.55,58.55 Q102#16.2
  Bottom w0.3: 9.55,59.5 9.5,59.55 8.79,59.55 8.42,59.93 8.01,59.93 U102#23.5 ; 9.55,59.5 Q102#16.2 ; 9.55,59.5 9.97,59.92 12.25,59.92 12.6,60.27 L101#20.2
  vias: v1(13.33,62.48) v1(13.33,62.48)
Board_0-Board_8-/BST: length 2
  Bottom w0.15: U103#16.6 12.9,56.47 12.62,56.19 11.68,56.19 C104#24.1
Board_0-Board_8-/DBUS: length 8.1
  Bottom w0.15: H102#11.1 9.65,53.05 9.42,52.82 6.81,52.82 6.62,53.01 6.62,55.02 R103#17.1
  Bottom w0.3: H102#11.1 H102#11.1
